# Allegro board 6089-119-RevA_41.brd (continued)
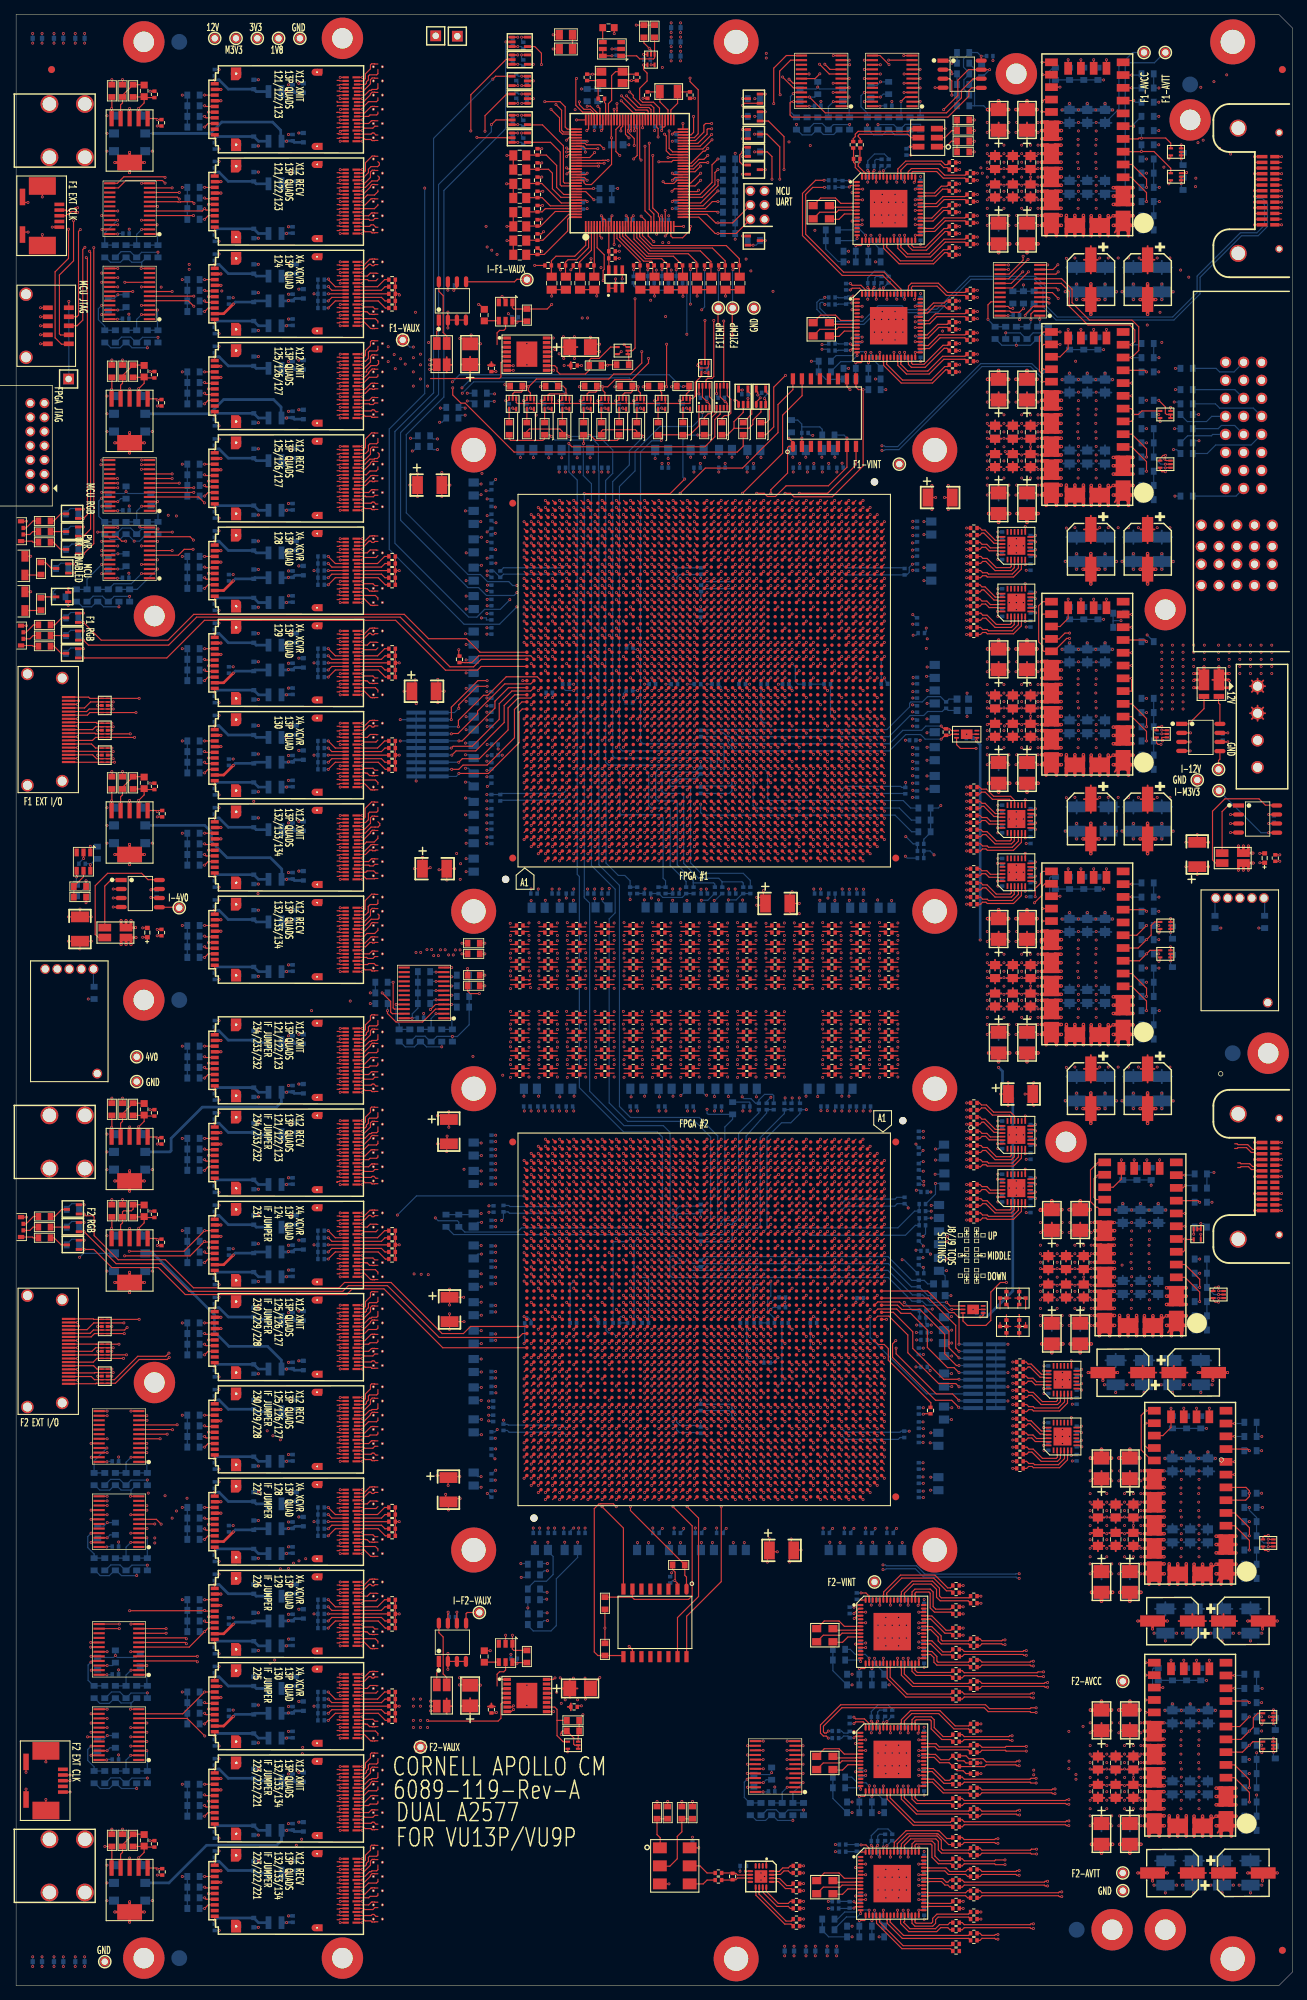
[diagram p0: board, top side]
## Routing (per net, layer and track width the routed paths; a pad name or vN(x,y) marks a point on that pad's centre or on a via; arc(x,y) is an arc through that point) (continued)
  GND2 w0.254: VA70.3 50.37,95.78 ; VA70.3 49.95,95.59 ; VA70.3 50.37,95.02 ; VA70.3 50.04,95.72 ; VA70.3 49.98,95.4 ; VA70.3 50.04,95.08 ; VA70.3 50.18,94.99 ; VA70.3 49.95,95.21 ; 49.98,218.4 VA23.3 ; VA23.3 50.37,218.02 ; VA23.3 50.37,218.78 ; VA23.3 50.04,218.08 ; VA23.3 50.04,218.72 ; VA23.3 49.95,218.59 ; VA23.3 50.18,217.99 ; VA23.3 49.95,218.21 ; 50.18,150.99 VA48.3 ; VA48.3 50.37,151.78 ; VA48.3 50.04,151.72 ; VA48.3 49.98,151.4 ; VA48.3 50.04,151.08 ; VA48.3 49.95,151.21 ; VA48.3 49.95,151.59 ; VA48.3 50.37,151.02 ; VA9.4 51.63,253.78 ; VA9.4 51.96,253.72 ; VA9.4 52.02,253.4 ; VA9.4 51.82,253.81 ; VA9.4 52.05,253.59 ; VA9.4 51.96,253.08 ; VA9.4 51.63,253.02 ; VA9.4 52.05,253.21 ; VA11.4 52.02,249.4 ; VA11.4 51.96,249.72 ; VA11.4 51.82,249.81 ; VA11.4 52.05,249.59 ; VA11.4 51.96,249.08 ; VA11.4 52.05,249.21 ; VA11.4 51.63,249.02 ; VA11.4 51.63,249.78 ; VA10.4 51.96,251.08 ; VA10.4 51.96,251.72 ; VA10.4 52.05,251.59 ; VA10.4 51.82,251.81 ; VA10.4 51.63,251.78 ; VA10.4 52.02,251.4 ; VA10.4 52.05,251.21 ; VA10.4 51.63,251.02 ; 50.37,223.02 VA21.3 ; VA21.3 50.37,223.78 ; VA21.3 50.04,223.08 ; VA21.3 49.98,223.4 ; VA21.3 50.04,223.72 ; VA21.3 50.18,222.99 ; VA21.3 49.95,223.59 ; VA21.3 49.95,223.21 ; 49.95,60.71 VA84.4 ; VA84.4 50.04,60.58 ; VA84.4 50.37,61.28 ; VA84.4 49.98,60.9 ; VA84.4 50.37,60.52 ; VA84.4 50.18,60.49 ; VA84.4 49.95,61.09 ; VA84.4 50.04,61.22 ; 49.95,262.21 VA5.3 ; VA5.3 49.95,262.59 ; VA5.3 49.98,262.4 ; VA5.3 50.04,262.72 ; VA5.3 50.18,261.99 ; VA5.3 50.37,262.78 ; VA5.3 50.37,262.02 ; VA5.3 50.04,262.08 ; 49.98,74.4 VA80.3 ; VA80.3 49.95,74.21 ; VA80.3 50.04,74.72 ; VA80.3 50.37,74.02 ; VA80.3 50.37,74.78 ; VA80.3 50.04,74.08 ; VA80.3 50.18,73.99 ; VA80.3 49.95,74.59 ; 50.04,189.22 VA34.3 ; VA34.3 50.18,188.49 ; VA34.3 49.95,189.09 ; VA34.3 50.04,188.58 ; VA34.3 50.37,189.28 ; VA34.3 49.95,188.71 ; VA34.3 50.37,188.52 ; VA34.3 49.98,188.9 ; VA87.3 51.96,49.58 ; VA87.3 51.63,49.52 ; VA87.3 51.82,50.31 ; VA87.3 52.05,50.09 ; VA87.3 52.05,49.71 ; VA87.3 51.96,50.22 ; VA87.3 52.02,49.9 ; VA87.3 51.63,50.28 ; VA5.4 51.96,262.08 ; VA5.4 52.02,262.4 ; VA5.4 51.63,262.02 ; VA5.4 51.82,262.81 ; VA5.4 52.05,262.21 ; VA5.4 51.96,262.72 ; VA5.4 52.05,262.59 ; VA5.4 51.63,262.78 ; VA25.4 52.05,214.21 ; VA25.4 52.05,214.59 ; VA25.4 51.96,214.08 ; VA25.4 51.63,214.02 ; VA25.4 51.63,214.78 ; VA25.4 51.96,214.72 ; VA25.4 52.02,214.4 ; VA25.4 51.82,214.81 ; 50.04,17.08 VA100.3 ; VA100.3 50.37,17.02 ; VA100.3 50.37,17.78 ; VA100.3 50.18,16.99 ; VA100.3 50.04,17.72 ; VA100.3 49.98,17.4 ; VA100.3 49.95,17.59 ; VA100.3 49.95,17.21 ; VA77.4 51.96,80.72 ; VA77.4 52.05,80.59 ; VA77.4 51.63,80.02 ; VA77.4 51.82,80.81 ; VA77.4 52.02,80.4 ; VA77.4 52.05,80.21 ; VA77.4 51.96,80.08 ; VA77.4 51.63,80.78 ; 49.95,181.71 VA36.4 ; VA36.4 49.98,181.9 ; VA36.4 49.95,182.09 ; VA36.4 50.04,182.22 ; VA36.4 50.18,181.49 ; VA36.4 50.37,181.52 ; VA36.4 50.04,181.58 ; VA36.4 50.37,182.28 ; 50.04,183.58 VA35.4 ; VA35.4 50.37,184.28 ; VA35.4 50.04,184.22 ; VA35.4 49.98,183.9 ; VA35.4 49.95,183.71 ; VA35.4 49.95,184.09 ; VA35.4 50.37,183.52 ; VA35.4 50.18,183.49 ; 50.37,93.02 VA71.3 ; VA71.3 50.04,93.08 ; VA71.3 50.04,93.72 ; VA71.3 50.37,93.78 ; VA71.3 50.18,92.99 ; VA71.3 49.95,93.59 ; VA71.3 49.95,93.21 ; VA71.3 49.98,93.4 ; 51.63,190.52 VA33.4 ; VA33.4 52.02,190.9 ; VA33.4 51.63,191.28 ; VA33.4 52.05,191.09 ; VA33.4 52.05,190.71 ; VA33.4 51.96,191.22 ; VA33.4 51.96,190.58 ; VA33.4 51.82,191.31 ; VA64.4 52.02,113.4 ; VA64.4 51.82,113.81 ; VA64.4 51.96,113.08 ; VA64.4 52.05,113.21 ; VA64.4 51.63,113.78 ; VA64.4 51.63,113.02 ; VA64.4 52.05,113.59 ; VA64.4 51.96,113.72 ; VA29.4 52.05,203.71 ; VA29.4 51.96,204.22 ; VA29.4 52.05,204.09 ; VA29.4 51.96,203.58 ; VA29.4 52.02,203.9 ; VA29.4 51.63,204.28 ; VA29.4 51.63,203.52 ; VA29.4 51.82,204.31 ; VA40.3 51.63,169.28 ; VA40.3 52.05,168.71 ; VA40.3 51.63,168.52 ; VA40.3 52.05,169.09 ; VA40.3 51.96,169.22 ; VA40.3 51.82,169.31 ; VA40.3 51.96,168.58 ; VA40.3 52.02,168.9 ; 50.37,101.52 VA67.4 ; VA67.4 50.04,101.58 ; VA67.4 50.18,101.49 ; VA67.4 50.37,102.28 ; VA67.4 49.95,102.09 ; VA67.4 49.95,101.71 ; VA67.4 49.98,101.9 ; VA67.4 50.04,102.22 ; VA43.4 52.02,162.4 ; VA43.4 51.82,162.81 ; VA43.4 52.05,162.59 ; VA43.4 51.63,162.78 ; VA43.4 51.63,162.02 ; VA43.4 51.96,162.08 ; VA43.4 51.96,162.72 ; VA43.4 52.05,162.21 ; VA47.4 52.05,153.59 ; VA47.4 51.63,153.78 ; VA47.4 52.05,153.21 ; VA47.4 51.96,153.08 ; VA47.4 51.96,153.72 ; VA47.4 51.63,153.02 ; VA47.4 52.02,153.4 ; VA47.4 51.82,153.81 ; VA26.4 51.63,212.78 ; VA26.4 51.96,212.08 ; VA26.4 52.05,212.59 ; VA26.4 52.02,212.4 ; VA26.4 51.96,212.72 ; VA26.4 52.05,212.21 ; VA26.4 51.82,212.81 ; VA26.4 51.63,212.02 ; 49.95,171.09 VA39.4 ; VA39.4 50.37,171.28 ; VA39.4 49.95,170.71 ; VA39.4 50.18,170.49 ; VA39.4 50.37,170.52 ; VA39.4 49.98,170.9 ; VA39.4 50.04,171.22 ; VA39.4 50.04,170.58 ; 49.95,78.21 VA78.3 ; VA78.3 50.04,78.08 ; VA78.3 50.37,78.78 ; VA78.3 49.98,78.4 ; VA78.3 50.37,78.02 ; VA78.3 50.04,78.72 ; VA78.3 49.95,78.59 ; VA78.3 50.18,77.99 ; 50.37,227.02 VA19.3 ; VA19.3 49.98,227.4 ; VA19.3 49.95,227.21 ; VA19.3 50.04,227.72 ; VA19.3 50.04,227.08 ; VA19.3 50.37,227.78 ; VA19.3 49.95,227.59 ; VA19.3 50.18,226.99 ; 50.04,255.08 VA8.3 ; VA8.3 50.37,255.02 ; VA8.3 49.95,255.21 ; VA8.3 49.95,255.59 ; VA8.3 50.37,255.78 ; VA8.3 50.18,254.99 ; VA8.3 50.04,255.72 ; VA8.3 49.98,255.4 ; 50.18,190.49 VA33.3 ; VA33.3 50.04,190.58 ; VA33.3 50.04,191.22 ; VA33.3 49.95,191.09 ; VA33.3 50.37,190.52 ; VA33.3 50.37,191.28 ; VA33.3 49.98,190.9 ; VA33.3 49.95,190.71 ; VA70.4 51.82,95.81 ; VA70.4 52.02,95.4 ; VA70.4 51.63,95.02 ; VA70.4 51.63,95.78 ; VA70.4 52.05,95.21 ; VA70.4 52.05,95.59 ; VA70.4 51.96,95.72 ; VA70.4 51.96,95.08 ; 50.37,82.02 VA76.3 ; VA76.3 50.04,82.08 ; VA76.3 49.95,82.21 ; VA76.3 50.37,82.78 ; VA76.3 49.95,82.59 ; VA76.3 50.18,81.99 ; VA76.3 50.04,82.72 ; VA76.3 49.98,82.4 ; VA17.4 51.63,231.78 ; VA17.4 51.63,231.02 ; VA17.4 51.96,231.72 ; VA17.4 51.96,231.08 ; VA17.4 52.05,231.59 ; VA17.4 51.82,231.81 ; VA17.4 52.02,231.4 ; VA17.4 52.05,231.21 ; 50.04,37.22 VA91.4 ; VA91.4 49.95,36.71 ; VA91.4 50.37,36.52 ; VA91.4 50.18,36.49 ; VA91.4 49.95,37.09 ; VA91.4 49.98,36.9 ; VA91.4 50.37,37.28 ; VA91.4 50.04,36.58 ; VA78.4 51.63,78.78 ; VA78.4 51.63,78.02 ; VA78.4 51.82,78.81 ; VA78.4 52.05,78.21 ; VA78.4 52.05,78.59 ; VA78.4 51.96,78.08 ; VA78.4 51.96,78.72 ; VA78.4 52.02,78.4 ; 50.04,44.22 VA89.3 ; VA89.3 50.04,43.58 ; VA89.3 49.95,44.09 ; VA89.3 49.95,43.71 ; VA89.3 49.98,43.9 ; VA89.3 50.37,44.28 ; VA89.3 50.37,43.52 ; VA89.3 50.18,43.49 ; VA92.3 52.05,34.71 ; VA92.3 51.96,34.58 ; VA92.3 52.05,35.09 ; VA92.3 51.96,35.22 ; VA92.3 51.63,35.28 ; VA92.3 51.63,34.52 ; VA92.3 51.82,35.31 ; VA92.3 52.02,34.9 ; VA88.3 51.63,48.28 ; VA88.3 51.96,47.58 ; VA88.3 52.05,48.09 ; VA88.3 51.96,48.22 ; VA88.3 51.82,48.31 ; VA88.3 51.63,47.52 ; VA88.3 52.02,47.9 ; VA88.3 52.05,47.71 ; 50.37,80.02 VA77.3 ; VA77.3 49.95,80.59 ; VA77.3 50.04,80.72 ; VA77.3 50.18,79.99 ; VA77.3 49.98,80.4 ; VA77.3 49.95,80.21 ; VA77.3 50.04,80.08 ; VA77.3 50.37,80.78 ; VA99.4 52.05,19.59 ; VA99.4 51.63,19.78 ; VA99.4 52.02,19.4 ; VA99.4 51.63,19.02 ; VA99.4 51.96,19.72 ; VA99.4 51.96,19.08 ; VA99.4 51.82,19.81 ; VA99.4 52.05,19.21 ; VA71.4 52.02,93.4 ; VA71.4 51.96,93.72 ; VA71.4 52.05,93.59 ; VA71.4 51.63,93.78 ; VA71.4 51.96,93.08 ; VA71.4 51.63,93.02 ; VA71.4 51.82,93.81 ; VA71.4 52.05,93.21 ; 50.37,62.52 VA83.4 ; VA83.4 50.04,63.22 ; VA83.4 50.04,62.58 ; VA83.4 49.98,62.9 ; VA83.4 49.95,63.09 ; VA83.4 50.37,63.28 ; VA83.4 50.18,62.49 ; VA83.4 49.95,62.71 ; 49.95,162.59 VA43.3 ; VA43.3 50.04,162.72 ; VA43.3 49.98,162.4 ; VA43.3 50.37,162.02 ; VA43.3 49.95,162.21 ; VA43.3 50.18,161.99 ; VA43.3 50.04,162.08 ; VA43.3 50.37,162.78 ; VA24.4 51.96,216.72 ; VA24.4 52.02,216.4 ; VA24.4 51.63,216.78 ; VA24.4 52.05,216.21 ; VA24.4 51.96,216.08 ; VA24.4 51.82,216.81 ; VA24.4 52.05,216.59 ; VA24.4 51.63,216.02 ; VA73.4 52.02,89.4 ; VA73.4 51.96,89.72 ; VA73.4 51.96,89.08 ; VA73.4 52.05,89.21 ; VA73.4 51.63,89.02 ; VA73.4 51.82,89.81 ; VA73.4 52.05,89.59 ; VA73.4 51.63,89.78 ; VA35.3 52.02,183.9 ; VA35.3 51.96,184.22 ; VA35.3 51.63,183.52 ; VA35.3 51.63,184.28 ; VA35.3 51.82,184.31 ; VA35.3 51.96,183.58 ; VA35.3 52.05,183.71 ; VA35.3 52.05,184.09 ; VA36.3 52.02,181.9 ; VA36.3 51.63,182.28 ; VA36.3 51.63,181.52 ; VA36.3 52.05,181.71 ; VA36.3 52.05,182.09 ; VA36.3 51.82,182.31 ; VA36.3 51.96,181.58 ; VA36.3 51.96,182.22 ; VA104.4 51.96,9.08 ; VA104.4 51.63,9.78 ; VA104.4 52.05,9.59 ; VA104.4 52.02,9.4 ; VA104.4 51.82,9.81 ; VA104.4 51.96,9.72 ; VA104.4 52.05,9.21 ; VA104.4 51.63,9.02 ; 49.95,247.59 VA12.3 ; VA12.3 50.04,247.08 ; VA12.3 50.04,247.72 ; VA12.3 49.95,247.21 ; VA12.3 50.18,246.99 ; VA12.3 49.98,247.4 ; VA12.3 50.37,247.02 ; VA12.3 50.37,247.78 ; 51.63,225.02 VA20.4 ; VA20.4 52.05,225.59 ; VA20.4 51.63,225.78 ; VA20.4 52.05,225.21 ; VA20.4 51.96,225.72 ; VA20.4 52.02,225.4 ; VA20.4 51.82,225.81 ; VA20.4 51.96,225.08 ; VA23.4 51.96,218.72 ; VA23.4 51.63,218.02 ; VA23.4 52.05,218.21 ; VA23.4 52.02,218.4 ; VA23.4 51.63,218.78 ; VA23.4 51.82,218.81 ; VA23.4 52.05,218.59 ; VA23.4 51.96,218.08 ; 49.95,253.21 VA9.3 ; VA9.3 49.95,253.59 ; VA9.3 50.37,253.78 ; VA9.3 50.37,253.02 ; VA9.3 50.04,253.72 ; VA9.3 49.98,253.4 ; VA9.3 50.18,252.99 ; VA9.3 50.04,253.08 ; VA83.3 52.05,62.71 ; VA83.3 51.82,63.31 ; VA83.3 51.63,63.28 ; VA83.3 51.96,63.22 ; VA83.3 51.63,62.52 ; VA83.3 52.02,62.9 ; VA83.3 51.96,62.58 ; VA83.3 52.05,63.09 ; VA67.3 52.05,101.71 ; VA67.3 51.82,102.31 ; VA67.3 52.05,102.09 ; VA67.3 52.02,101.9 ; VA67.3 51.96,102.22 ; VA67.3 51.63,102.28 ; VA67.3 51.96,101.58 ; VA67.3 51.63,101.52 ; 50.18,240.49 VA14.3 ; VA14.3 49.95,241.09 ; VA14.3 50.04,241.22 ; VA14.3 50.37,240.52 ; VA14.3 50.37,241.28 ; VA14.3 49.98,240.9 ; VA14.3 49.95,240.71 ; VA14.3 50.04,240.58 ; J5.23 2.4,184.04 ; J5.23 2.05,185.89 ; J5.23 2.64,185.3 ; J5.23 1.6,185.92 ; J5.23 2.4,185.65 ; J5.23 1.15,183.8 ; J5.23 1.6,183.78 ; J5.23 2.66,184.85 ; 49.95,48.09 VA88.4 ; VA88.4 50.04,48.22 ; VA88.4 50.37,47.52 ; VA88.4 50.04,47.58 ; VA88.4 50.37,48.28 ; VA88.4 50.18,47.49 ; VA88.4 49.95,47.71 ; VA88.4 49.98,47.9 ; 51.63,201.52 VA30.4 ; VA30.4 52.05,201.71 ; VA30.4 51.96,201.58 ; VA30.4 52.05,202.09 ; VA30.4 51.82,202.31 ; VA30.4 51.96,202.22 ; VA30.4 51.63,202.28 ; VA30.4 52.02,201.9 ; 49.95,234.09 VA16.4 ; VA16.4 49.95,233.71 ; VA16.4 50.04,233.58 ; VA16.4 50.18,233.49 ; VA16.4 49.98,233.9 ; VA16.4 50.37,233.52 ; VA16.4 50.04,234.22 ; VA16.4 50.37,234.28 ; VA97.3 50.37,24.78 ; VA97.3 50.37,24.02 ; VA97.3 50.18,23.99 ; VA97.3 49.98,24.4 ; VA97.3 49.95,24.21 ; VA97.3 50.04,24.08 ; VA97.3 50.04,24.72 ; VA97.3 49.95,24.59 ; VA96.4 51.96,26.72 ; VA96.4 51.63,26.78 ; VA96.4 51.82,26.81 ; VA96.4 51.96,26.08 ; VA96.4 52.05,26.59 ; VA96.4 52.02,26.4 ; VA96.4 52.05,26.21 ; VA96.4 51.63,26.02 ; 50.04,235.58 VA15.4 ; VA15.4 50.37,235.52 ; VA15.4 50.18,235.49 ; VA15.4 49.98,235.9 ; VA15.4 49.95,236.09 ; VA15.4 50.37,236.28 ; VA15.4 49.95,235.71 ; VA15.4 50.04,236.22 ; 51.63,87.02 VA74.4 ; VA74.4 51.82,87.81 ; VA74.4 52.05,87.21 ; VA74.4 52.02,87.4 ; VA74.4 51.96,87.08 ; VA74.4 52.05,87.59 ; VA74.4 51.96,87.72 ; VA74.4 51.63,87.78 ; 50.04,13.72 VA102.3 ; VA102.3 50.18,12.99 ; VA102.3 49.95,13.59 ; VA102.3 50.37,13.02 ; VA102.3 49.95,13.21 ; VA102.3 49.98,13.4 ; VA102.3 50.04,13.08 ; VA102.3 50.37,13.78 ; VA7.4 51.63,257.78 ; VA7.4 52.05,257.59 ; VA7.4 51.96,257.08 ; VA7.4 52.02,257.4 ; VA7.4 51.63,257.02 ; VA7.4 52.05,257.21 ; VA7.4 51.82,257.81 ; VA7.4 51.96,257.72 ; VA89.4 52.02,43.9 ; VA89.4 51.63,44.28 ; VA89.4 52.05,44.09 ; VA89.4 52.05,43.71 ; VA89.4 51.63,43.52 ; VA89.4 51.82,44.31 ; VA89.4 51.96,44.22 ; VA89.4 51.96,43.58 ; VA11.3 50.37,249.78 ; VA11.3 50.04,249.08 ; VA11.3 49.95,249.59 ; VA11.3 50.18,248.99 ; VA11.3 50.04,249.72 ; VA11.3 49.95,249.21 ; VA11.3 50.37,249.02 ; VA11.3 49.98,249.4 ; 39.33,275.07 PM9.1 ; PM9.1 40.67,273.73 ; PM9.1 40,273.52 ; PM9.1 40,275.28 ; PM9.1 39.12,274.4 ; PM9.1 39.33,273.73 ; PM9.1 40.88,274.4 ; PM9.1 40.67,275.07 ; 49.95,89.59 VA73.3 ; VA73.3 49.95,89.21 ; VA73.3 50.04,89.72 ; VA73.3 50.37,89.78 ; VA73.3 50.04,89.08 ; VA73.3 50.37,89.02 ; VA73.3 49.98,89.4 ; VA73.3 50.18,88.99 ; VA60.4 52.02,121.4 ; VA60.4 51.96,121.08 ; VA60.4 51.96,121.72 ; VA60.4 52.05,121.59 ; VA60.4 51.63,121.02 ; VA60.4 51.82,121.81 ; VA60.4 51.63,121.78 ; VA60.4 52.05,121.21 ; 49.95,119.21 VA61.3 ; VA61.3 50.37,119.78 ; VA61.3 49.98,119.4 ; VA61.3 50.18,118.99 ; VA61.3 50.37,119.02 ; VA61.3 50.04,119.08 ; VA61.3 49.95,119.59 ; VA61.3 50.04,119.72 ; 49.95,201.71 VA30.3 ; VA30.3 50.37,201.52 ; VA30.3 50.37,202.28 ; VA30.3 50.04,201.58 ; VA30.3 49.95,202.09 ; VA30.3 50.18,201.49 ; VA30.3 49.98,201.9 ; VA30.3 50.04,202.22 ; 50.37,134.02 VA54.3 ; VA54.3 49.95,134.59 ; VA54.3 50.04,134.72 ; VA54.3 49.95,134.21 ; VA54.3 50.18,133.99 ; VA54.3 50.04,134.08 ; VA54.3 50.37,134.78 ; VA54.3 49.98,134.4 ; VA90.4 52.02,41.9 ; VA90.4 52.05,41.71 ; VA90.4 51.63,42.28 ; VA90.4 51.82,42.31 ; VA90.4 52.05,42.09 ; VA90.4 51.96,41.58 ; VA90.4 51.96,42.22 ; VA90.4 51.63,41.52 ; 6.5,183.2 J5.22 ; J5.22 6.5,185.33 ; J5.22 7.31,185.07 ; J5.22 7.31,183.46 ; J5.22 5.69,183.46 ; J5.22 5.69,185.07 ; J5.22 7.57,184.26 ; J5.22 5.43,184.26 ; VA98.4 52.05,22.21 ; VA98.4 51.96,22.08 ; VA98.4 51.63,22.78 ; VA98.4 52.05,22.59 ; VA98.4 51.63,22.02 ; VA98.4 52.02,22.4 ; VA98.4 51.82,22.81 ; VA98.4 51.96,22.72 ; VA14.4 52.05,241.09 ; VA14.4 51.96,240.58 ; VA14.4 51.82,241.31 ; VA14.4 52.02,240.9 ; VA14.4 51.63,241.28 ; VA14.4 51.63,240.52 ; VA14.4 52.05,240.71 ; VA14.4 51.96,241.22 ; VA16.3 52.05,234.09 ; VA16.3 52.05,233.71 ; VA16.3 51.63,233.52 ; VA16.3 51.96,234.22 ; VA16.3 51.96,233.58 ; VA16.3 51.63,234.28 ; VA16.3 52.02,233.9 ; VA16.3 51.82,234.31 ; VA41.4 51.96,166.08 ; VA41.4 52.05,166.21 ; VA41.4 51.63,166.02 ; VA41.4 51.96,166.72 ; VA41.4 52.05,166.59 ; VA41.4 51.63,166.78 ; VA41.4 51.82,166.81 ; VA41.4 52.02,166.4 ; VA65.4 51.82,109.31 ; VA65.4 51.96,108.58 ; VA65.4 51.63,108.52 ; VA65.4 52.05,109.09 ; VA65.4 52.05,108.71 ; VA65.4 51.63,109.28 ; VA65.4 52.02,108.9 ; VA65.4 51.96,109.22 ; VA76.4 52.05,82.59 ; VA76.4 51.96,82.72 ; VA76.4 52.05,82.21 ; VA76.4 51.96,82.08 ; VA76.4 51.63,82.78 ; VA76.4 52.02,82.4 ; VA76.4 51.63,82.02 ; VA76.4 51.82,82.81 ; VA54.4 51.63,134.78 ; VA54.4 51.63,134.02 ; VA54.4 52.05,134.21 ; VA54.4 52.05,134.59 ; VA54.4 51.96,134.72 ; VA54.4 51.96,134.08 ; VA54.4 52.02,134.4 ; VA54.4 51.82,134.81 ; VA19.4 51.96,227.08 ; VA19.4 52.05,227.21 ; VA19.4 51.63,227.02 ; VA19.4 51.82,227.81 ; VA19.4 51.96,227.72 ; VA19.4 52.05,227.59 ; VA19.4 51.63,227.78 ; VA19.4 52.02,227.4 ; VA61.4 51.96,119.72 ; VA61.4 51.63,119.02 ; VA61.4 51.82,119.81 ; VA61.4 51.96,119.08 ; VA61.4 52.05,119.59 ; VA61.4 52.05,119.21 ; VA61.4 52.02,119.4 ; VA61.4 51.63,119.78 ; 49.95,212.21 VA26.3 ; VA26.3 50.37,212.78 ; VA26.3 49.98,212.4 ; VA26.3 50.04,212.72 ; VA26.3 50.04,212.08 ; VA26.3 49.95,212.59 ; VA26.3 50.18,211.99 ; VA26.3 50.37,212.02 ; 50.37,28.02 VA95.3 ; VA95.3 50.04,28.08 ; VA95.3 49.98,28.4 ; VA95.3 50.37,28.78 ; VA95.3 49.95,28.59 ; VA95.3 49.95,28.21 ; VA95.3 50.18,27.99 ; VA95.3 50.04,28.72 ; VA86.4 52.05,55.09 ; VA86.4 51.82,55.31 ; VA86.4 51.96,54.58 ; VA86.4 51.63,54.52 ; VA86.4 52.02,54.9 ; VA86.4 51.63,55.28 ; VA86.4 51.96,55.22 ; VA86.4 52.05,54.71 ; VA32.4 50.37,195.28 ; VA32.4 50.37,194.52 ; VA32.4 49.95,194.71 ; VA32.4 50.04,195.22 ; VA32.4 50.04,194.58 ; VA32.4 50.18,194.49 ; VA32.4 49.95,195.09 ; VA32.4 49.98,194.9 ; 50.04,260.08 VA6.3 ; VA6.3 50.04,260.72 ; VA6.3 49.98,260.4 ; VA6.3 49.95,260.21 ; VA6.3 49.95,260.59 ; VA6.3 50.37,260.78 ; VA6.3 50.37,260.02 ; VA6.3 50.18,259.99 ; VA97.4 52.02,24.4 ; VA97.4 51.96,24.72 ; VA97.4 52.05,24.21 ; VA97.4 52.05,24.59 ; VA97.4 51.82,24.81 ; VA97.4 51.96,24.08 ; VA97.4 51.63,24.02 ; VA97.4 51.63,24.78 ; VA62.4 52.05,117.59 ; VA62.4 51.63,117.02 ; VA62.4 52.05,117.21 ; VA62.4 51.82,117.81 ; VA62.4 51.96,117.72 ; VA62.4 52.02,117.4 ; VA62.4 51.63,117.78 ; VA62.4 51.96,117.08 ; VA28.4 51.82,208.81 ; VA28.4 51.63,208.02 ; VA28.4 52.05,208.59 ; VA28.4 51.63,208.78 ; VA28.4 52.02,208.4 ; VA28.4 51.96,208.08 ; VA28.4 51.96,208.72 ; VA28.4 52.05,208.21 ; 50.18,146.99 VA50.3 ; VA50.3 50.04,147.08 ; VA50.3 49.95,147.59 ; VA50.3 49.98,147.4 ; VA50.3 50.04,147.72 ; VA50.3 50.37,147.78 ; VA50.3 49.95,147.21 ; VA50.3 50.37,147.02 ; VA68.3 51.82,100.31 ; VA68.3 51.63,100.28 ; VA68.3 51.96,99.58 ; VA68.3 52.05,100.09 ; VA68.3 51.96,100.22 ; VA68.3 52.05,99.71 ; VA68.3 52.02,99.9 ; VA68.3 51.63,99.52 ; 49.95,130.59 VA56.3 ; VA56.3 49.95,130.21 ; VA56.3 50.04,130.72 ; VA56.3 50.37,130.02 ; VA56.3 50.37,130.78 ; VA56.3 50.04,130.08 ; VA56.3 49.98,130.4 ; VA56.3 50.18,129.99 ; VA21.4 51.96,223.72 ; VA21.4 51.82,223.81 ; VA21.4 52.05,223.21 ; VA21.4 52.02,223.4 ; VA21.4 51.63,223.78 ; VA21.4 52.05,223.59 ; VA21.4 51.96,223.08 ; VA21.4 51.63,223.02 ; 171.83,152.6 U122.3 ; U122.3 173.17,152.6 ; U122.3 172.12,152.4 ; U122.3 173.17,153.94 ; U122.3 172.5,154.14 ; U122.3 172.88,154.14 ; U122.3 171.83,153.94 ; U122.3 172.5,152.39 ; VA34.4 51.82,189.31 ; VA34.4 51.96,189.22 ; VA34.4 52.05,188.71 ; VA34.4 52.02,188.9 ; VA34.4 51.96,188.58 ; VA34.4 51.63,188.52 ; VA34.4 52.05,189.09 ; VA34.4 51.63,189.28 ; 49.95,67.71 VA82.3 ; VA82.3 50.18,67.49 ; VA82.3 50.04,68.22 ; VA82.3 49.95,68.09 ; VA82.3 49.98,67.9 ; VA82.3 50.04,67.58 ; VA82.3 50.37,67.52 ; VA82.3 50.37,68.28 ; VA42.4 51.96,164.08 ; VA42.4 52.05,164.21 ; VA42.4 52.05,164.59 ; VA42.4 51.96,164.72 ; VA42.4 51.63,164.02 ; VA42.4 51.82,164.81 ; VA42.4 52.02,164.4 ; VA42.4 51.63,164.78 ; 49.95,9.59 VA104.3 ; VA104.3 49.95,9.21 ; VA104.3 50.37,9.02 ; VA104.3 50.37,9.78 ; VA104.3 50.18,8.99 ; VA104.3 49.98,9.4 ; VA104.3 50.04,9.08 ; VA104.3 50.04,9.72 ; 50.04,19.72 VA99.3 ; VA99.3 49.95,19.21 ; VA99.3 50.37,19.78 ; VA99.3 50.37,19.02 ; VA99.3 50.04,19.08 ; VA99.3 49.98,19.4 ; VA99.3 49.95,19.59 ; VA99.3 50.18,18.99 ; 50.37,132.02 VA55.3 ; VA55.3 49.95,132.59 ; VA55.3 49.95,132.21 ; VA55.3 49.98,132.4 ; VA55.3 50.04,132.72 ; VA55.3 50.18,131.99 ; VA55.3 50.04,132.08 ; VA55.3 50.37,132.78 ; VA100.4 51.82,17.81 ; VA100.4 52.05,17.21 ; VA100.4 52.02,17.4 ; VA100.4 51.63,17.02 ; VA100.4 52.05,17.59 ; VA100.4 51.63,17.78 ; VA100.4 51.96,17.08 ; VA100.4 51.96,17.72 ; VA27.4 52.05,210.21 ; VA27.4 51.96,210.08 ; VA27.4 51.63,210.78 ; VA27.4 51.82,210.81 ; VA27.4 52.02,210.4 ; VA27.4 52.05,210.59 ; VA27.4 51.96,210.72 ; VA27.4 51.63,210.02 ; 49.95,30.21 VA94.3 ; VA94.3 50.04,30.08 ; VA94.3 50.04,30.72 ; VA94.3 49.98,30.4 ; VA94.3 50.37,30.02 ; VA94.3 49.95,30.59 ; VA94.3 50.37,30.78 ; VA94.3 50.18,29.99 ; 51.63,11.02 VA103.4 ; VA103.4 52.05,11.59 ; VA103.4 52.02,11.4 ; VA103.4 51.96,11.08 ; VA103.4 51.63,11.78 ; VA103.4 52.05,11.21 ; VA103.4 51.96,11.72 ; VA103.4 51.82,11.81 ; VA13.4 51.96,243.22 ; VA13.4 52.02,242.9 ; VA13.4 51.96,242.58 ; VA13.4 52.05,242.71 ; VA13.4 51.63,242.52 ; VA13.4 51.82,243.31 ; VA13.4 51.63,243.28 ; VA13.4 52.05,243.09 ; 49.98,87.4 VA74.3 ; VA74.3 49.95,87.59 ; VA74.3 50.04,87.72 ; VA74.3 50.37,87.78 ; VA74.3 50.37,87.02 ; VA74.3 50.04,87.08 ; VA74.3 49.95,87.21 ; VA74.3 50.18,86.99 ; VA59.4 52.02,123.4 ; VA59.4 52.05,123.59 ; VA59.4 51.63,123.78 ; VA59.4 51.96,123.08 ; VA59.4 51.96,123.72 ; VA59.4 51.63,123.02 ; VA59.4 52.05,123.21 ; VA59.4 51.82,123.81 ; VA6.4 51.63,260.78 ; VA6.4 51.96,260.08 ; VA6.4 51.82,260.81 ; VA6.4 52.05,260.59 ; VA6.4 52.05,260.21 ; VA6.4 51.63,260.02 ; VA6.4 51.96,260.72 ; VA6.4 52.02,260.4 ; 5.69,81.33 J6.21 ; J6.21 7.57,82.14 ; J6.21 6.5,81.07 ; J6.21 6.5,83.2 ; J6.21 5.43,82.14 ; J6.21 5.69,82.94 ; J6.21 7.31,82.94 ; J6.21 7.31,81.33 ; VA31.3 51.63,197.28 ; VA31.3 51.82,197.31 ; VA31.3 51.96,196.58 ; VA31.3 51.63,196.52 ; VA31.3 52.05,196.71 ; VA31.3 51.96,197.22 ; VA31.3 52.05,197.09 ; VA31.3 52.02,196.9 ; VA63.4 52.02,115.4 ; VA63.4 51.96,115.08 ; VA63.4 52.05,115.21 ; VA63.4 51.96,115.72 ; VA63.4 51.63,115.78 ; VA63.4 51.63,115.02 ; VA63.4 51.82,115.81 ; VA63.4 52.05,115.59 ; 49.95,143.21 VA52.3 ; VA52.3 50.18,142.99 ; VA52.3 50.04,143.08 ; VA52.3 49.98,143.4 ; VA52.3 50.37,143.78 ; VA52.3 49.95,143.59 ; VA52.3 